# Altium PCB PCB1.PcbDoc (part 2 of 2)
Units mm, origin at the board's own origin, x right, y up, seen from the top; angles counter-clockwise.
Board outline 152.4 x 101.6 mm, 2 copper layers (Top Layer, Bottom Layer); 174 components, 0 nets, 1020 pads, 426 vias.
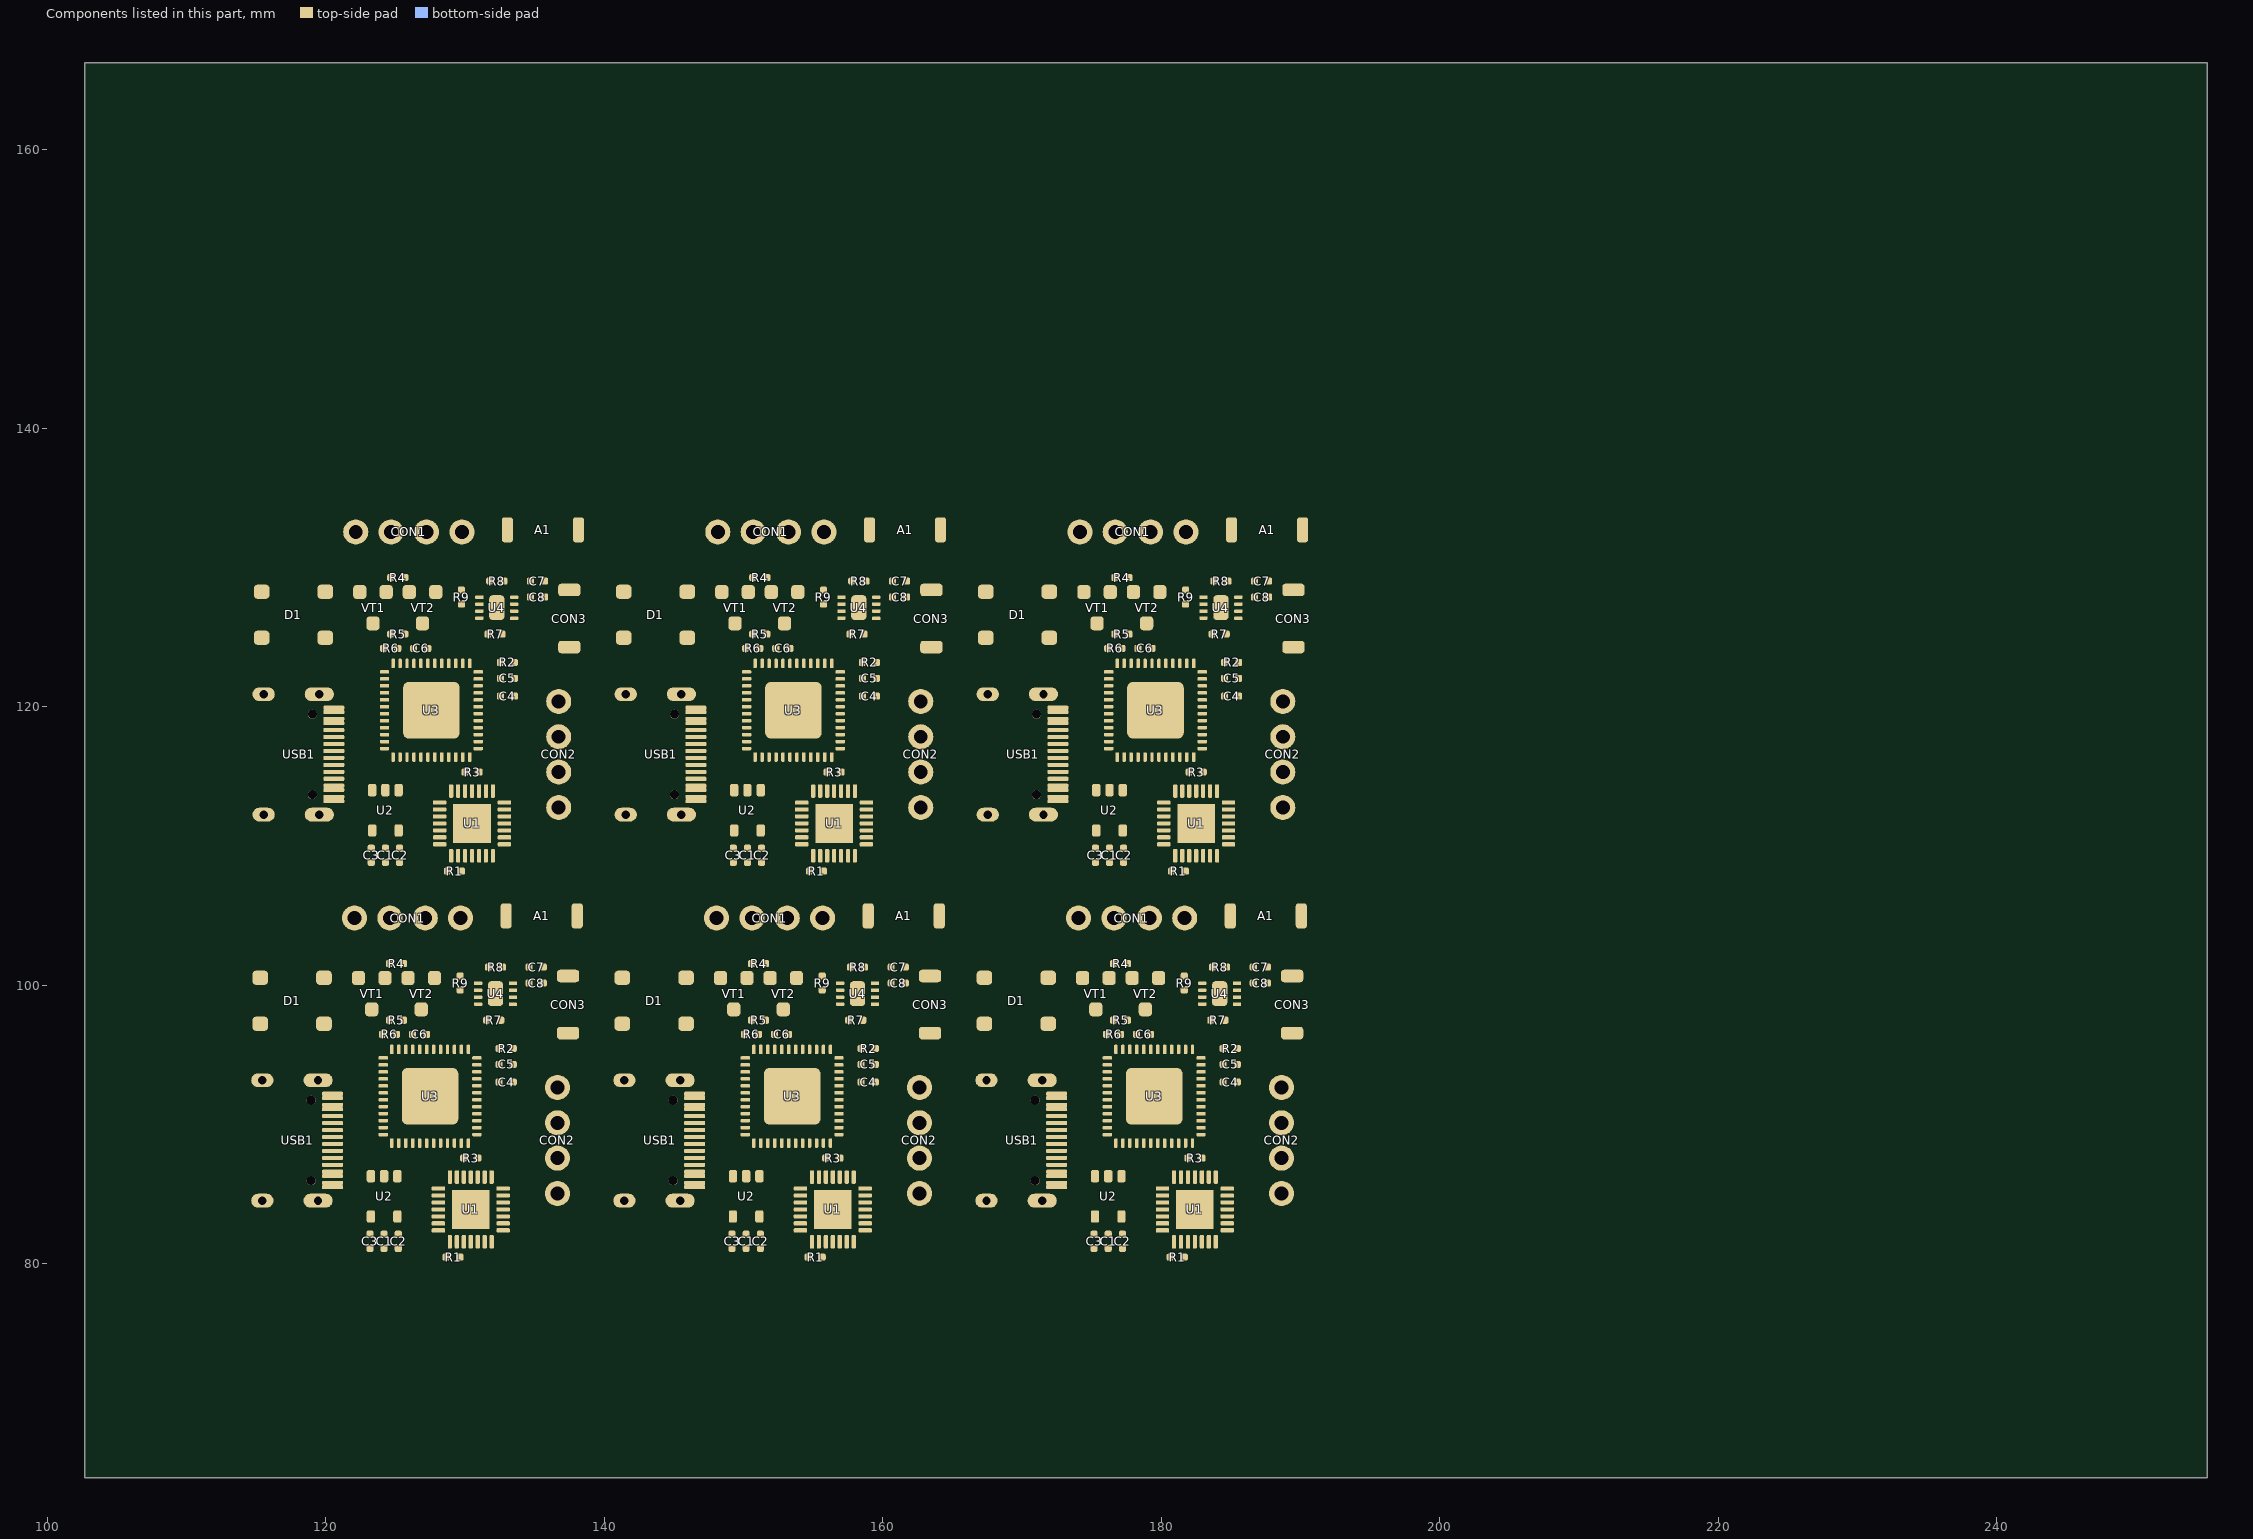
[diagram p2: the components of this part, seen from the top]

## Via types
v1: diameter 0.406, hole 0.254, Top Layer to Bottom Layer, 408 vias
v2: diameter 3.2, hole 2.8, Top Layer to Bottom Layer, 18 vias

## Nets (pads, with @x,y where several pads share a name; then routed paths per layer and width w, separated by ;. In a path a pad name is that pad's centre, name@x,y a point inside that pad or via, vN(x,y) a via of type N, cw(c..) or ccw(c..) an arc to the next point about the centre after c; other vN are vias at no path point) (continued)
copper on no net: | length 2146.6
  Top Layer w0.127: 119.86,100.52 119.86,99.25 120.749,98.361 v1(120.749,95.059) ; 119.951,128.242 119.951,126.972 120.84,126.083 v1(120.84,122.781) ; 120.474,88.587 120.479,88.582 121.384,88.582 121.511,88.709 121.511,89.09 ; 120.474,89.087 119.602,89.087 119.352,88.837 119.352,88.328 119.606,88.075 120.462,88.075 120.474,88.087 125.943,88.087 127.099,86.931 127.099,84.138 127.353,83.883 128.076,83.883 ; 120.474,89.587 121.395,89.587 121.511,89.471 121.511,89.09 ; 120.566,116.308 120.57,116.304 121.475,116.304 121.602,116.431 121.602,116.812 ; 120.566,116.808 119.693,116.808 119.443,116.558 119.443,116.05 119.697,115.796 120.554,115.796 120.566,115.808 126.035,115.808 127.19,114.653 127.19,111.859 127.444,111.605 128.168,111.605 ; 120.566,117.308 121.487,117.308 121.602,117.193 121.602,116.812 ; v1(121.638,93.027) 121.638,99.844 122.296,100.502 122.338,100.502 124.559,98.282 124.559,97.472 ; v1(121.729,120.749) 121.729,127.565 122.388,128.224 122.43,128.224 124.65,126.004 124.65,125.194 ; v1(122.908,88.582) 122.4,89.09 121.511,89.09 ; v1(122.999,116.304) 122.491,116.812 121.602,116.812 ; 123.162,82.105 123.228,82.172 123.228,83.377 ; 123.253,109.827 123.319,109.893 123.319,111.098 ; 123.288,98.253 123.379,98.162 123.379,97.636 124.051,96.965 124.94,96.965 125.066,96.838 125.066,96.456 126.21,96.456 ; 123.38,125.974 123.47,125.884 123.47,125.358 124.142,124.686 125.031,124.686 125.158,124.559 125.158,124.178 126.301,124.178 ; v1(123.924,87.566) 124.305,87.185 126.464,87.185 126.845,86.804 126.845,83.884 127.333,83.395 128.065,83.395 128.076,83.384 ; v1(124.015,115.288) 124.396,114.907 126.555,114.907 126.936,114.526 126.936,111.605 127.425,111.116 128.157,111.116 128.168,111.105 ; v1(124.051,95.186) 124.051,94.823 124.112,94.762 124.117,94.762 ; 124.117,89.761 124.904,89.761 125.194,89.471 v1(126.845,89.471) ; 124.117,93.262 124.127,93.272 124.676,93.272 v1(124.686,93.281) ; v1(124.142,122.908) 124.142,122.545 124.204,122.483 124.209,122.483 ; 124.209,117.483 124.995,117.483 125.285,117.193 v1(126.936,117.193) ; 124.209,120.983 124.219,120.993 124.767,120.993 v1(124.777,121.003) ; 124.239,100.502 124.239,101.217 124.558,101.536 ; 124.33,128.224 124.33,128.938 124.65,129.258 ; 124.59,104.811 124.59,103.156 125.575,102.171 127.607,102.171 128.496,101.282 v1(128.496,97.472) ; 124.681,132.533 124.681,130.878 125.666,129.893 127.698,129.893 128.587,129.004 v1(128.587,125.194) ; v1@124.73,94.536 124.73,95.374 ; v1@124.821,122.258 124.821,123.095 ; 125.574,97.472 125.574,98.282 127.795,100.503 ; 125.575,101.536 125.894,101.217 125.894,100.503 v1(125.895,99.557) ; 125.666,125.194 125.666,126.004 127.886,128.224 ; 125.666,129.258 125.986,128.938 125.986,128.224 v1(125.986,127.278) ; 126.229,95.374 126.229,96.437 ; 126.321,123.095 126.321,124.158 ; v1(126.845,97.346) 126.845,98.252 v1(128.043,99.451) ; v1(126.936,125.067) 126.936,125.974 v1(128.135,127.173) ; v1(127.988,87.312) 128.496,87.312 128.9,86.908 128.9,86.208 ; v1(128.079,115.034) 128.587,115.034 128.992,114.629 128.992,113.929 ; v1(129.461,89.421) 129.73,89.152 129.73,88.649 ; v1(129.461,96.8) 129.461,98.184 129.639,98.361 129.639,99.632 ; v1(129.552,117.142) 129.821,116.873 129.821,116.37 ; v1(129.552,124.521) 129.552,125.905 129.73,126.083 129.73,127.353 ; 129.766,99.505 129.766,99.573 129.824,99.632 130.924,99.632 130.928,99.627 ; 129.857,127.226 129.857,127.294 129.916,127.353 131.016,127.353 131.02,127.349 ; 129.892,87.312 129.892,86.216 129.9,86.208 ; 129.984,115.034 129.984,113.937 129.992,113.929 ; v1(130.147,96.8) 130.147,98.742 130.528,99.123 130.909,99.123 ; v1(130.223,91.275) 130.229,91.268 130.835,91.268 130.842,91.261 ; 130.23,88.649 130.29,88.709 v1(130.782,88.709) ; v1(130.238,124.521) 130.238,126.464 130.619,126.845 131,126.845 ; v1@130.286,100.128 130.929,100.128 130.956,100.155 131.305,100.155 131.671,100.52 131.671,101.282 v1(130.655,101.282) ; v1(130.314,118.996) 130.321,118.99 130.927,118.99 130.933,118.983 ; 130.321,116.37 130.382,116.431 v1(130.873,116.431) ; v1@130.377,127.849 131.02,127.849 131.047,127.876 131.396,127.876 131.762,128.242 131.762,129.004 v1(130.746,129.004) ; 130.401,86.208 130.401,87.984 130.611,88.195 v1(130.641,88.195) ; 130.492,113.929 130.492,115.706 130.703,115.916 v1(130.733,115.916) ; v1(130.782,97.472) 131.544,97.472 132.941,96.075 132.941,95.059 133.195,94.805 134.338,94.805 136.497,92.647 ; 130.842,90.761 130.852,90.751 131.407,90.751 v1(131.417,90.742) ; v1(130.873,125.194) 131.635,125.194 133.032,123.797 133.032,122.781 133.286,122.527 134.429,122.527 136.588,120.368 ; 130.901,86.208 130.905,86.212 130.905,86.927 v1(130.909,86.931) ; 130.908,87.566 v1(131.417,88.075) ; 130.933,118.483 130.943,118.473 131.498,118.473 v1(131.508,118.463) ; 130.992,113.929 130.996,113.933 130.996,114.649 v1(131,114.653) ; 131,115.288 v1(131.508,115.796) ; v1(134.338,97.98) 135.771,96.548 137.386,96.548 ; v1(134.429,125.702) 135.862,124.269 137.477,124.269 ; 145.86,100.52 145.86,99.25 146.749,98.361 v1(146.749,95.059) ; 145.951,128.242 145.951,126.972 146.84,126.083 v1(146.84,122.781) ; 146.474,88.587 146.479,88.582 147.383,88.582 147.511,88.709 147.511,89.09 ; 146.474,89.087 145.602,89.087 145.351,88.837 145.351,88.328 145.606,88.075 146.462,88.075 146.474,88.087 151.943,88.087 153.099,86.931 153.099,84.138 153.352,83.883 154.076,83.883 ; 146.474,89.587 147.395,89.587 147.511,89.471 147.511,89.09 ; 146.566,116.308 146.57,116.304 147.475,116.304 147.602,116.431 147.602,116.812 ; 146.566,116.808 145.693,116.808 145.443,116.558 145.443,116.05 145.697,115.796 146.554,115.796 146.566,115.808 152.035,115.808 153.19,114.653 153.19,111.859 153.444,111.605 154.168,111.605 ; 146.566,117.308 147.487,117.308 147.602,117.193 147.602,116.812 ; v1(147.637,93.027) 147.637,99.844 148.296,100.502 148.338,100.502 150.559,98.282 150.559,97.472 ; v1(147.729,120.749) 147.729,127.565 148.388,128.224 148.43,128.224 150.65,126.004 150.65,125.194 ; v1(148.907,88.582) 148.399,89.09 147.511,89.09 ; v1(148.999,116.304) 148.491,116.812 147.602,116.812 ; 149.161,82.105 149.228,82.172 149.228,83.377 ; 149.253,109.827 149.319,109.893 149.319,111.098 ; 149.288,98.253 149.379,98.162 149.379,97.636 150.05,96.965 150.939,96.965 151.066,96.838 151.066,96.456 152.21,96.456 ; 149.38,125.974 149.47,125.884 149.47,125.358 150.142,124.686 151.031,124.686 151.158,124.559 151.158,124.178 152.301,124.178 ; v1(149.923,87.566) 150.304,87.185 152.463,87.185 152.844,86.804 152.844,83.884 153.333,83.395 154.065,83.395 154.076,83.384 ; v1(150.015,115.288) 150.396,114.907 152.555,114.907 152.936,114.526 152.936,111.605 153.425,111.116 154.157,111.116 154.168,111.105 ; v1(150.05,95.186) 150.05,94.823 150.112,94.762 150.117,94.762 ; 150.117,89.761 150.904,89.761 151.194,89.471 v1(152.844,89.471) ; 150.117,93.262 150.127,93.272 150.676,93.272 v1(150.685,93.281) ; v1(150.142,122.908) 150.142,122.545 150.204,122.483 150.209,122.483 ; 150.209,117.483 150.995,117.483 151.285,117.193 v1(152.936,117.193) ; 150.209,120.983 150.219,120.993 150.767,120.993 v1(150.777,121.003) ; 150.239,100.502 150.239,101.217 150.558,101.536 ; 150.33,128.224 150.33,128.938 150.65,129.258 ; 150.59,104.811 150.59,103.156 151.575,102.171 153.606,102.171 154.495,101.282 v1(154.495,97.472) ; 150.681,132.533 150.681,130.878 151.666,129.893 153.698,129.893 154.587,129.004 v1(154.587,125.194) ; v1@150.73,94.536 150.73,95.374 ; v1@150.821,122.258 150.821,123.095 ; 151.574,97.472 151.574,98.282 153.795,100.503 ; 151.575,101.536 151.894,101.217 151.894,100.503 v1(151.894,99.557) ; 151.666,125.194 151.666,126.004 153.886,128.224 ; 151.666,129.258 151.986,128.938 151.986,128.224 v1(151.986,127.278) ; 152.229,95.374 152.229,96.437 ; 152.321,123.095 152.321,124.158 ; v1(152.844,97.346) 152.844,98.252 v1(154.043,99.451) ; v1(152.936,125.067) 152.936,125.974 v1(154.135,127.173) ; v1(153.987,87.312) 154.495,87.312 154.9,86.908 154.9,86.208 ; v1(154.079,115.034) 154.587,115.034 154.992,114.629 154.992,113.929 ; v1(155.461,89.421) 155.73,89.152 155.73,88.649 ; v1(155.461,96.8) 155.461,98.184 155.638,98.361 155.638,99.632 ; v1(155.552,117.142) 155.821,116.873 155.821,116.37 ; v1(155.552,124.521) 155.552,125.905 155.73,126.083 155.73,127.353 ; 155.766,99.505 155.766,99.573 155.824,99.632 156.924,99.632 156.928,99.627 ; 155.857,127.226 155.857,127.294 155.916,127.353 157.016,127.353 157.02,127.349 ; 155.892,87.312 155.892,86.216 155.9,86.208 ; 155.984,115.034 155.984,113.937 155.992,113.929 ; v1(156.147,96.8) 156.147,98.742 156.528,99.123 156.909,99.123 ; v1(156.223,91.275) 156.229,91.268 156.835,91.268 156.842,91.261 ; 156.23,88.649 156.29,88.709 v1(156.781,88.709) ; v1(156.238,124.521) 156.238,126.464 156.619,126.845 157,126.845 ; v1@156.285,100.128 156.928,100.128 156.956,100.155 157.305,100.155 157.671,100.52 157.671,101.282 v1(156.654,101.282) ; v1(156.314,118.996) 156.321,118.99 156.927,118.99 156.933,118.983 ; 156.321,116.37 156.382,116.431 v1(156.873,116.431) ; v1@156.377,127.849 157.02,127.849 157.047,127.876 157.396,127.876 157.762,128.242 157.762,129.004 v1(156.746,129.004) ; 156.4,86.208 156.4,87.984 156.611,88.195 v1(156.641,88.195) ; 156.492,113.929 156.492,115.706 156.703,115.916 v1(156.733,115.916) ; v1(156.781,97.472) 157.544,97.472 158.94,96.075 158.94,95.059 159.195,94.805 160.338,94.805 162.496,92.647 ; 156.842,90.761 156.852,90.751 157.407,90.751 v1(157.416,90.742) ; v1(156.873,125.194) 157.635,125.194 159.032,123.797 159.032,122.781 159.286,122.527 160.429,122.527 162.588,120.368 ; 156.9,86.208 156.904,86.212 156.904,86.927 v1(156.909,86.931) ; 156.908,87.566 v1(157.416,88.075) ; 156.933,118.483 156.943,118.473 157.498,118.473 v1(157.508,118.463) ; 156.992,113.929 156.996,113.933 156.996,114.649 v1(157,114.653) ; 157,115.288 v1(157.508,115.796) ; v1(160.338,97.98) 161.77,96.548 163.386,96.548 ; v1(160.429,125.702) 161.862,124.269 163.477,124.269 ; 171.86,100.52 171.86,99.25 172.748,98.361 v1(172.748,95.059) ; 171.951,128.242 171.951,126.972 172.84,126.083 v1(172.84,122.781) ; 172.474,88.587 172.478,88.582 173.383,88.582 173.51,88.709 173.51,89.09 ; 172.474,89.087 171.602,89.087 171.351,88.837 171.351,88.328 171.605,88.075 172.462,88.075 172.474,88.087 177.943,88.087 179.098,86.931 179.098,84.138 179.352,83.883 180.076,83.883 ; 172.474,89.587 173.395,89.587 173.51,89.471 173.51,89.09 ; 172.566,116.308 172.57,116.304 173.475,116.304 173.602,116.431 173.602,116.812 ; 172.566,116.808 171.693,116.808 171.443,116.558 171.443,116.05 171.697,115.796 172.554,115.796 172.566,115.808 178.035,115.808 179.19,114.653 179.19,111.859 179.444,111.605 180.168,111.605 ; 172.566,117.308 173.487,117.308 173.602,117.193 173.602,116.812 ; v1(173.637,93.027) 173.637,99.844 174.296,100.502 174.338,100.502 176.559,98.282 176.559,97.472 ; v1(173.729,120.749) 173.729,127.565 174.388,128.224 174.43,128.224 176.65,126.004 176.65,125.194 ; v1(174.907,88.582) 174.399,89.09 173.51,89.09 ; v1(174.999,116.304) 174.491,116.812 173.602,116.812 ; 175.161,82.105 175.228,82.172 175.228,83.377 ; 175.253,109.827 175.319,109.893 175.319,111.098 ; 175.288,98.253 175.379,98.162 175.379,97.636 176.05,96.965 176.939,96.965 177.066,96.838 177.066,96.456 178.21,96.456 ; 175.38,125.974 175.47,125.884 175.47,125.358 176.142,124.686 177.031,124.686 177.158,124.559 177.158,124.178 178.301,124.178 ; v1(175.923,87.566) 176.304,87.185 178.463,87.185 178.844,86.804 178.844,83.884 179.333,83.395 180.065,83.395 180.076,83.384 ; v1(176.015,115.288) 176.396,114.907 178.555,114.907 178.936,114.526 178.936,111.605 179.425,111.116 180.157,111.116 180.168,111.105 ; v1(176.05,95.186) 176.05,94.823 176.112,94.762 176.117,94.762 ; 176.117,89.761 176.903,89.761 177.193,89.471 v1(178.844,89.471) ; 176.117,93.262 176.127,93.272 176.675,93.272 v1(176.685,93.281) ; v1(176.142,122.908) 176.142,122.545 176.204,122.483 176.208,122.483 ; 176.208,117.483 176.995,117.483 177.285,117.193 v1(178.936,117.193) ; 176.208,120.983 176.218,120.993 176.767,120.993 v1(176.777,121.003) ; 176.238,100.502 176.238,101.217 176.558,101.536 ; 176.33,128.224 176.33,128.938 176.65,129.258 ; 176.59,104.811 176.59,103.156 177.574,102.171 179.606,102.171 180.495,101.282 v1(180.495,97.472) ; 176.681,132.533 176.681,130.878 177.666,129.893 179.698,129.893 180.587,129.004 v1(180.587,125.194) ; v1@176.729,94.536 176.729,95.374 ; v1@176.821,122.258 176.821,123.095 ; 177.574,97.472 177.574,98.282 179.794,100.503 ; 177.574,101.536 177.894,101.217 177.894,100.503 v1(177.894,99.557) ; 177.666,125.194 177.666,126.004 179.886,128.224 ; 177.666,129.258 177.986,128.938 177.986,128.224 v1(177.986,127.278) ; 178.229,95.374 178.229,96.437 ; 178.321,123.095 178.321,124.158 ; v1(178.844,97.346) 178.844,98.252 v1(180.043,99.451) ; v1(178.936,125.067) 178.936,125.974 v1(180.135,127.173) ; v1(179.987,87.312) 180.495,87.312 180.9,86.908 180.9,86.208 ; v1(180.079,115.034) 180.587,115.034 180.992,114.629 180.992,113.929 ; v1(181.461,89.421) 181.73,89.152 181.73,88.649 ; v1(181.461,96.8) 181.461,98.184 181.638,98.361 181.638,99.632 ; v1(181.552,117.142) 181.821,116.873 181.821,116.37 ; v1(181.552,124.521) 181.552,125.905 181.73,126.083 181.73,127.353 ; 181.765,99.505 181.765,99.573 181.824,99.632 182.924,99.632 182.928,99.627 ; 181.857,127.226 181.857,127.294 181.916,127.353 183.016,127.353 183.02,127.349 ; 181.892,87.312 181.892,86.216 181.9,86.208 ; 181.984,115.034 181.984,113.937 181.992,113.929 ; v1(182.146,96.8) 182.146,98.742 182.527,99.123 182.908,99.123 ; v1(182.223,91.275) 182.229,91.268 182.835,91.268 182.842,91.261 ; 182.23,88.649 182.29,88.709 v1(182.781,88.709) ; v1(182.238,124.521) 182.238,126.464 182.619,126.845 183,126.845 ; v1@182.285,100.128 182.928,100.128 182.956,100.155 183.305,100.155 183.67,100.52 183.67,101.282 v1(182.654,101.282) ; v1(182.314,118.996) 182.321,118.99 182.927,118.99 182.933,118.983 ; 182.321,116.37 182.382,116.431 v1(182.873,116.431) ; v1@182.377,127.849 183.02,127.849 183.047,127.876 183.396,127.876 183.762,128.242 183.762,129.004 v1(182.746,129.004) ; 182.4,86.208 182.4,87.984 182.611,88.195 v1(182.641,88.195) ; 182.492,113.929 182.492,115.706 182.703,115.916 v1(182.733,115.916) ; v1(182.781,97.472) 183.544,97.472 184.94,96.075 184.94,95.059 185.194,94.805 186.337,94.805 188.496,92.647 ; 182.842,90.761 182.852,90.751 183.406,90.751 v1(183.416,90.742) ; v1(182.873,125.194) 183.635,125.194 185.032,123.797 185.032,122.781 185.286,122.527 186.429,122.527 188.588,120.368 ; 182.9,86.208 182.904,86.212 182.904,86.927 v1(182.908,86.931) ; 182.908,87.566 v1(183.416,88.075) ; 182.933,118.483 182.943,118.473 183.498,118.473 v1(183.508,118.463) ; 182.992,113.929 182.996,113.933 182.996,114.649 v1(183,114.653) ; 183,115.288 v1(183.508,115.796) ; v1(186.337,97.98) 187.77,96.548 189.385,96.548 ; v1(186.429,125.702) 187.862,124.269 189.477,124.269
  Top Layer w0.254: 115.287,100.52 117.193,98.615 117.193,91.757 118.336,90.614 ; 115.379,128.242 117.284,126.337 117.284,119.479 118.427,118.336 ; 120.474,86.273 123.228,86.273 123.228,85.342 123.543,85.026 124.813,85.026 125.128,85.342 125.128,86.273 ; 120.474,86.587 118.807,86.587 118.336,87.058 118.336,90.614 ; 120.474,91.087 118.808,91.087 118.336,90.614 ; 120.566,113.994 123.319,113.994 123.319,113.063 123.634,112.748 124.904,112.748 125.219,113.063 125.219,113.994 ; 120.566,114.308 118.899,114.308 118.427,114.78 118.427,118.336 ; 120.566,118.808 118.899,118.808 118.427,118.336 ; 124.051,96.456 123.289,95.694 123.288,92.266 123.793,91.762 124.117,91.762 124.119,91.76 124.368,91.759 124.37,91.757 124.813,91.757 125.194,92.138 125.194,93.911 125.58,94.297 128.581,94.297 128.73,94.446 128.73,95.374 129.23,95.374 129.23,94.834 129.396,94.667 130.23,94.667 ; 124.142,124.178 123.38,123.416 123.38,119.987 123.884,119.483 124.209,119.483 124.211,119.481 124.46,119.481 124.462,119.479 124.904,119.479 125.285,119.86 125.285,121.632 125.672,122.019 128.672,122.019 128.821,122.168 128.821,123.095 129.321,123.095 129.321,122.555 129.487,122.389 130.321,122.389 ; 124.178,82.105 125.193,82.105 ; 124.269,109.827 125.285,109.827 ; 125.128,83.377 125.128,82.171 125.194,82.105 ; 125.152,86.296 125.956,86.296 126.337,85.915 126.337,83.248 127.202,82.383 128.076,82.383 128.726,82.384 128.9,82.209 128.9,81.559 128.9,80.859 128.623,80.582 128.623,80.454 ; 125.219,111.098 125.219,109.893 125.285,109.827 ; 125.243,114.018 126.047,114.018 126.428,113.637 126.428,110.97 127.293,110.105 128.168,110.105 128.817,110.105 128.992,109.93 128.992,109.281 128.992,108.581 128.714,108.303 128.714,108.176 ; 127.13,104.811 128.369,103.573 128.369,102.806 v1(129.131,102.044) ; 127.221,132.533 128.46,131.294 128.46,130.528 v1(129.222,129.766) ; 129.405,81.555 129.401,81.559 129.401,80.82 129.638,80.582 129.638,80.454 ; 129.496,109.277 129.492,109.281 129.492,108.541 129.73,108.303 129.73,108.176 ; 129.73,95.374 129.73,95.857 129.004,96.584 129.004,101.028 131.163,103.188 131.163,103.95 132.179,104.965 132.941,104.965 ; 129.821,123.095 129.821,123.579 129.095,124.305 129.095,128.75 131.254,130.909 131.254,131.671 132.27,132.687 133.032,132.687 ; 130.23,95.374 130.23,94.667 ; 130.321,123.095 130.321,122.389 ; 130.842,92.261 130.399,92.261 ; 130.842,93.761 130.429,93.761 ; 130.909,98.615 131.163,98.615 131.544,98.234 131.544,97.472 ; 130.933,119.983 130.491,119.983 ; 130.934,121.483 130.52,121.483 ; 131,126.337 131.254,126.337 131.635,125.956 131.635,125.194 ; v1(131.544,102.044) 132.306,102.044 132.686,101.664 132.686,101.282 134.592,101.282 134.592,100.139 134.592,99.377 134.342,99.128 133.429,99.128 133.429,98.612 133.429,97.472 ; v1(131.635,129.766) 132.397,129.766 132.778,129.385 132.778,129.004 134.683,129.004 134.683,127.861 134.683,127.099 134.433,126.849 133.52,126.849 133.52,126.333 133.52,125.194 ; 132.433,95.441 132.433,94.297 132.433,93.027 132.433,89.852 131.842,89.262 130.484,89.262 129.766,89.98 129.766,91.628 130.399,92.261 ; 132.524,123.162 132.524,122.019 132.524,120.749 132.524,117.574 131.933,116.983 130.575,116.983 129.857,117.701 129.857,119.349 130.491,119.983 ; 132.56,97.473 133.428,97.473 ; 132.651,125.194 133.52,125.194 ; 133.429,95.44 133.429,97.472 ; 133.449,95.44 135.735,95.44 137.829,93.346 137.829,86.359 133.957,82.486 133.957,81.471 132.433,79.947 127.861,79.947 125.702,82.105 125.194,82.105 ; 133.52,123.162 133.52,125.194 ; 133.54,123.162 135.826,123.162 137.92,121.068 137.92,114.08 134.048,110.208 134.048,109.192 132.524,107.668 127.952,107.668 125.793,109.827 125.285,109.827 ; 141.287,100.52 143.192,98.615 143.192,91.757 144.335,90.614 ; 141.379,128.242 143.284,126.337 143.284,119.479 144.427,118.336 ; 146.474,86.273 149.227,86.273 149.227,85.342 149.542,85.026 150.812,85.026 151.128,85.342 151.128,86.273 ; 146.474,86.587 144.807,86.587 144.335,87.058 144.335,90.614 ; 146.474,91.087 144.808,91.087 144.335,90.614 ; 146.566,113.994 149.319,113.994 149.319,113.063 149.634,112.748 150.904,112.748 151.219,113.063 151.219,113.994 ; 146.566,114.308 144.899,114.308 144.427,114.78 144.427,118.336 ; 146.566,118.808 144.899,118.808 144.427,118.336 ; 150.051,96.456 149.288,95.694 149.288,92.266 149.792,91.762 150.117,91.762 150.119,91.76 150.368,91.759 150.37,91.757 150.812,91.757 151.194,92.138 151.194,93.911 151.58,94.297 154.581,94.297 154.73,94.446 154.73,95.374 155.229,95.374 155.229,94.834 155.396,94.667 156.229,94.667 ; 150.142,124.178 149.38,123.416 149.38,119.987 149.884,119.483 150.209,119.483 150.211,119.481 150.46,119.481 150.462,119.479 150.904,119.479 151.285,119.86 151.285,121.632 151.672,122.019 154.672,122.019 154.821,122.168 154.821,123.095 155.321,123.095 155.321,122.555 155.487,122.389 156.321,122.389 ; 150.177,82.105 151.193,82.105 ; 150.269,109.827 151.285,109.827 ; 151.128,83.377 151.128,82.171 151.194,82.105 ; 151.152,86.296 151.956,86.296 152.337,85.915 152.337,83.248 153.202,82.383 154.076,82.383 154.726,82.384 154.9,82.209 154.9,81.559 154.9,80.859 154.623,80.582 154.623,80.454 ; 151.219,111.098 151.219,109.893 151.285,109.827 ; 151.243,114.018 152.047,114.018 152.428,113.637 152.428,110.97 153.293,110.105 154.168,110.105 154.817,110.105 154.992,109.93 154.992,109.281 154.992,108.581 154.714,108.303 154.714,108.176 ; 153.13,104.811 154.368,103.573 154.368,102.806 v1(155.13,102.044) ; 153.221,132.533 154.46,131.294 154.46,130.528 v1(155.222,129.766) ; 155.405,81.555 155.4,81.559 155.4,80.82 155.638,80.582 155.638,80.454 ; 155.496,109.277 155.492,109.281 155.492,108.541 155.73,108.303 155.73,108.176 ; 155.73,95.374 155.73,95.857 155.004,96.584 155.004,101.028 157.162,103.188 157.162,103.95 158.178,104.965 158.94,104.965 ; 155.821,123.095 155.821,123.579 155.095,124.305 155.095,128.75 157.254,130.909 157.254,131.671 158.27,132.687 159.032,132.687 ; 156.229,95.374 156.229,94.667 ; 156.321,123.095 156.321,122.389 ; 156.842,92.261 156.399,92.261 ; 156.842,93.761 156.429,93.761 ; 156.909,98.615 157.162,98.615 157.544,98.234 157.544,97.472 ; 156.933,119.983 156.491,119.983 ; 156.934,121.483 156.52,121.483 ; 157,126.337 157.254,126.337 157.635,125.956 157.635,125.194 ; v1(157.543,102.044) 158.305,102.044 158.686,101.664 158.686,101.282 160.591,101.282 160.591,100.139 160.591,99.377 160.342,99.128 159.429,99.128 159.429,98.612 159.429,97.472 ; v1(157.635,129.766) 158.397,129.766 158.778,129.385 158.778,129.004 160.683,129.004 160.683,127.861 160.683,127.099 160.433,126.849 159.52,126.849 159.52,126.333 159.52,125.194 ; 158.433,95.441 158.433,94.297 158.433,93.027 158.433,89.852 157.842,89.262 156.484,89.262 155.766,89.98 155.766,91.628 156.399,92.261 ; 158.524,123.162 158.524,122.019 158.524,120.749 158.524,117.574 157.933,116.983 156.575,116.983 155.857,117.701 155.857,119.349 156.491,119.983 ; 158.559,97.473 159.428,97.473 ; 158.651,125.194 159.52,125.194 ; 159.429,95.44 159.429,97.472 ; 159.448,95.44 161.735,95.44 163.829,93.346 163.829,86.359 159.957,82.486 159.957,81.471 158.433,79.947 153.861,79.947 151.701,82.105 151.194,82.105 ; 159.52,123.162 159.52,125.194 ; 159.54,123.162 161.826,123.162 163.92,121.068 163.92,114.08 160.048,110.208 160.048,109.192 158.524,107.668 153.952,107.668 151.793,109.827 151.285,109.827 ; 167.287,100.52 169.192,98.615 169.192,91.757 170.335,90.614 ; 167.379,128.242 169.284,126.337 169.284,119.479 170.427,118.336 ; 172.474,86.273 175.227,86.273 175.227,85.342 175.542,85.026 176.812,85.026 177.128,85.342 177.128,86.273 ; 172.474,86.587 170.807,86.587 170.335,87.058 170.335,90.614 ; 172.474,91.087 170.808,91.087 170.335,90.614 ; 172.566,113.994 175.319,113.994 175.319,113.063 175.634,112.748 176.904,112.748 177.219,113.063 177.219,113.994 ; 172.566,114.308 170.899,114.308 170.427,114.78 170.427,118.336 ; 172.566,118.808 170.899,118.808 170.427,118.336 ; 176.051,96.456 175.288,95.694 175.288,92.266 175.792,91.762 176.117,91.762 176.119,91.76 176.368,91.759 176.37,91.757 176.812,91.757 177.193,92.138 177.193,93.911 177.58,94.297 180.581,94.297 180.729,94.446 180.729,95.374 181.229,95.374 181.229,94.834 181.396,94.667 182.229,94.667 ; 176.142,124.178 175.38,123.416 175.38,119.987 175.884,119.483 176.209,119.483 176.211,119.481 176.46,119.481 176.462,119.479 176.904,119.479 177.285,119.86 177.285,121.632 177.672,122.019 180.672,122.019 180.821,122.168 180.821,123.095 181.321,123.095 181.321,122.555 181.487,122.389 182.321,122.389 ; 176.177,82.105 177.193,82.105 ; 176.269,109.827 177.285,109.827 ; 177.127,83.377 177.127,82.171 177.193,82.105 ; 177.151,86.296 177.955,86.296 178.336,85.915 178.336,83.248 179.202,82.383 180.076,82.383 180.726,82.384 180.9,82.209 180.9,81.559 180.9,80.859 180.623,80.582 180.623,80.454 ; 177.219,111.098 177.219,109.893 177.285,109.827 ; 177.243,114.018 178.047,114.018 178.428,113.637 178.428,110.97 179.293,110.105 180.168,110.105 180.817,110.105 180.992,109.93 180.992,109.281 180.992,108.581 180.714,108.303 180.714,108.176 ; 179.13,104.811 180.368,103.573 180.368,102.806 v1(181.13,102.044) ; 179.221,132.533 180.46,131.294 180.46,130.528 v1(181.222,129.766) ; 181.405,81.555 181.4,81.559 181.4,80.82 181.638,80.582 181.638,80.454 ; 181.496,109.277 181.492,109.281 181.492,108.541 181.73,108.303 181.73,108.176 ; 181.73,95.374 181.73,95.857 181.003,96.584 181.003,101.028 183.162,103.188 183.162,103.95 184.178,104.965 184.94,104.965 ; 181.821,123.095 181.821,123.579 181.095,124.305 181.095,128.75 183.254,130.909 183.254,131.671 184.27,132.687 185.032,132.687 ; 182.229,95.374 182.229,94.667 ; 182.321,123.095 182.321,122.389 ; 182.842,92.261 182.399,92.261 ; 182.842,93.761 182.428,93.761 ; 182.908,98.615 183.162,98.615 183.544,98.234 183.544,97.472 ; 182.933,119.983 182.491,119.983 ; 182.934,121.483 182.52,121.483 ; 183,126.337 183.254,126.337 183.635,125.956 183.635,125.194 ; v1(183.543,102.044) 184.305,102.044 184.686,101.664 184.686,101.282 186.591,101.282 186.591,100.139 186.591,99.377 186.341,99.128 185.429,99.128 185.429,98.612 185.428,97.472 ; v1(183.635,129.766) 184.397,129.766 184.778,129.385 184.778,129.004 186.683,129.004 186.683,127.861 186.683,127.099 186.433,126.849 185.52,126.849 185.52,126.333 185.52,125.194 ; 184.433,95.441 184.433,94.297 184.433,93.027 184.432,89.852 183.841,89.262 182.484,89.262 181.765,89.98 181.765,91.628 182.399,92.261 ; 184.524,123.162 184.524,122.019 184.524,120.749 184.524,117.574 183.933,116.983 182.575,116.983 181.857,117.701 181.857,119.349 182.491,119.983 ; 184.559,97.473 185.428,97.473 ; 184.651,125.194 185.52,125.194 ; 185.428,95.44 185.428,97.472 ; 185.448,95.44 187.735,95.44 189.829,93.346 189.829,86.359 185.956,82.486 185.956,81.471 184.432,79.947 179.86,79.947 177.701,82.105 177.193,82.105 ; 185.52,123.162 185.52,125.194 ; 185.54,123.162 187.826,123.162 189.92,121.068 189.92,114.08 186.048,110.208 186.048,109.192 184.524,107.668 179.952,107.668 177.793,109.827 177.285,109.827 ; 130.23,94.667 130.23,93.961 130.429,93.761 ; 130.321,122.389 130.321,121.682 130.52,121.483 ; 130.399,92.261 130.251,92.41 130.251,93.583 130.429,93.761 ; 130.491,119.983 130.342,120.132 130.342,121.305 130.52,121.483 ; 156.229,94.667 156.229,93.961 156.429,93.761 ; 156.321,122.389 156.321,121.682 156.52,121.483 ; 156.399,92.261 156.251,92.41 156.251,93.583 156.429,93.761 ; 156.491,119.983 156.342,120.132 156.342,121.305 156.52,121.483 ; 182.229,94.667 182.229,93.961 182.428,93.761 ; 182.321,122.389 182.321,121.682 182.52,121.483 ; 182.399,92.261 182.25,92.41 182.25,93.583 182.428,93.761 ; 182.491,119.983 182.342,120.132 182.342,121.305 182.52,121.483
  Bottom Layer w0.127: v1(120.749,95.059) 122.527,93.281 v1(124.686,93.281) ; v1(120.84,122.781) 122.618,121.003 v1(124.777,121.003) ; v1@121.638,92.99 121.638,88.709 123.428,86.919 128.151,86.919 128.163,86.931 v1(130.909,86.931) ; v1@121.729,120.712 121.729,116.431 123.52,114.64 128.242,114.64 128.255,114.653 v1(131,114.653) ; 122.05,104.811 122.05,95.282 122.781,94.551 124.714,94.551 v1(124.743,94.523) 124.743,99.943 126.083,101.282 v1(130.655,101.282) ; 122.141,132.533 122.141,123.004 122.872,122.273 124.806,122.273 v1(124.834,122.244) 124.834,127.664 126.174,129.004 v1(130.746,129.004) ; v1(122.908,88.582) v1(123.924,87.566) ; v1(122.999,116.304) v1(124.015,115.288) ; v1(124.051,95.186) 124.051,102.552 124.59,103.092 124.59,104.811 ; v1(124.142,122.908) 124.142,130.274 124.681,130.813 124.681,132.533 ; v1(125.895,99.557) 125.895,88.39 126.972,87.312 v1(127.988,87.312) ; v1(125.986,127.278) 125.986,116.111 127.063,115.034 v1(128.079,115.034) ; v1(126.845,89.471) v1(126.845,97.346) ; v1(126.936,117.193) v1(126.936,125.067) ; v1(128.043,99.451) 128.077,99.451 129.273,100.647 131.671,100.647 v1(134.338,97.98) ; v1(128.135,127.173) 128.168,127.173 129.365,128.369 131.762,128.369 v1(134.429,125.702) ; v1(128.496,97.472) v1(130.782,97.472) ; v1(128.587,125.194) v1(130.873,125.194) ; v1(129.461,89.421) v1(129.461,96.8) ; v1(129.552,117.142) v1(129.552,124.521) ; v1(130.147,96.8) 130.782,96.165 v1(130.782,88.709) ; v1(130.223,91.275) 130.223,88.583 130.611,88.195 v1(130.641,88.195) ; v1(130.238,124.521) 130.873,123.886 v1(130.873,116.431) ; v1(130.274,100.139) 130.274,99.251 131.671,97.853 131.671,92.519 134.084,90.106 136.497,90.106 ; v1(130.314,118.996) 130.314,116.305 130.703,115.916 v1(130.733,115.916) ; v1(130.365,127.861) 130.365,126.972 131.762,125.575 131.762,120.241 134.175,117.828 136.588,117.828 ; v1(131.417,88.075) v1(131.417,90.742) ; v1(131.508,115.796) v1(131.508,118.463) ; v1(146.749,95.059) 148.526,93.281 v1(150.685,93.281) ; v1(146.84,122.781) 148.618,121.003 v1(150.777,121.003) ; v1@147.637,92.99 147.637,88.709 149.428,86.919 154.151,86.919 154.163,86.931 v1(156.909,86.931) ; v1@147.729,120.712 147.729,116.431 149.52,114.64 154.242,114.64 154.255,114.653 v1(157,114.653) ; 148.05,104.811 148.05,95.282 148.78,94.551 150.714,94.551 v1(150.743,94.523) 150.743,99.943 152.082,101.282 v1(156.654,101.282) ; 148.141,132.533 148.141,123.004 148.872,122.273 150.806,122.273 v1(150.834,122.244) 150.834,127.664 152.174,129.004 v1(156.746,129.004) ; v1(148.907,88.582) v1(149.923,87.566) ; v1(148.999,116.304) v1(150.015,115.288) ; v1(150.05,95.186) 150.05,102.552 150.59,103.092 150.59,104.811 ; v1(150.142,122.908) 150.142,130.274 150.681,130.813 150.681,132.533 ; v1(151.894,99.557) 151.894,88.39 152.971,87.312 v1(153.987,87.312) ; v1(151.986,127.278) 151.986,116.111 153.063,115.034 v1(154.079,115.034) ; v1(152.844,89.471) v1(152.844,97.346) ; v1(152.936,117.193) v1(152.936,125.067) ; v1(154.043,99.451) 154.077,99.451 155.273,100.647 157.671,100.647 v1(160.338,97.98) ; v1(154.135,127.173) 154.168,127.173 155.365,128.369 157.762,128.369 v1(160.429,125.702) ; v1(154.495,97.472) v1(156.781,97.472) ; v1(154.587,125.194) v1(156.873,125.194) ; v1(155.461,89.421) v1(155.461,96.8) ; v1(155.552,117.142) v1(155.552,124.521) ; v1(156.147,96.8) 156.781,96.165 v1(156.781,88.709) ; v1(156.223,91.275) 156.223,88.583 156.611,88.195 v1(156.641,88.195) ; v1(156.238,124.521) 156.873,123.886 v1(156.873,116.431) ; v1(156.273,100.139) 156.273,99.251 157.671,97.853 157.671,92.519 160.083,90.106 162.496,90.106 ; v1(156.314,118.996) 156.314,116.305 156.703,115.916 v1(156.733,115.916) ; v1(156.365,127.861) 156.365,126.972 157.762,125.575 157.762,120.241 160.175,117.828 162.588,117.828 ; v1(157.416,88.075) v1(157.416,90.742) ; v1(157.508,115.796) v1(157.508,118.463) ; v1(172.748,95.059) 174.526,93.281 v1(176.685,93.281) ; v1(172.84,122.781) 174.618,121.003 v1(176.777,121.003) ; v1@173.637,92.99 173.637,88.709 175.428,86.919 180.151,86.919 180.163,86.931 v1(182.908,86.931) ; v1@173.729,120.712 173.729,116.431 175.52,114.64 180.242,114.64 180.255,114.653 v1(183,114.653) ; 174.05,104.811 174.05,95.282 174.78,94.551 176.714,94.551 v1(176.743,94.523) 176.743,99.943 178.082,101.282 v1(182.654,101.282) ; 174.141,132.533 174.141,123.004 174.872,122.273 176.806,122.273 v1(176.834,122.244) 176.834,127.664 178.174,129.004 v1(182.746,129.004) ; v1(174.907,88.582) v1(175.923,87.566) ; v1(174.999,116.304) v1(176.015,115.288) ; v1(176.05,95.186) 176.05,102.552 176.59,103.092 176.59,104.811 ; v1(176.142,122.908) 176.142,130.274 176.681,130.813 176.681,132.533 ; v1(177.894,99.557) 177.894,88.39 178.971,87.312 v1(179.987,87.312) ; v1(177.986,127.278) 177.986,116.111 179.063,115.034 v1(180.079,115.034) ; v1(178.844,89.471) v1(178.844,97.346) ; v1(178.936,117.193) v1(178.936,125.067) ; v1(180.043,99.451) 180.077,99.451 181.273,100.647 183.671,100.647 v1(186.337,97.98) ; v1(180.135,127.173) 180.168,127.173 181.365,128.369 183.762,128.369 v1(186.429,125.702) ; v1(180.495,97.472) v1(182.781,97.472) ; v1(180.587,125.194) v1(182.873,125.194) ; v1(181.461,89.421) v1(181.461,96.8) ; v1(181.552,117.142) v1(181.552,124.521) ; v1(182.146,96.8) 182.781,96.165 v1(182.781,88.709) ; v1(182.223,91.275) 182.223,88.583 182.611,88.195 v1(182.641,88.195) ; v1(182.238,124.521) 182.873,123.886 v1(182.873,116.431) ; v1(182.273,100.139) 182.273,99.251 183.67,97.853 183.67,92.519 186.083,90.106 188.496,90.106 ; v1(182.314,118.996) 182.314,116.305 182.703,115.916 v1(182.733,115.916) ; v1(182.365,127.861) 182.365,126.972 183.762,125.575 183.762,120.241 186.175,117.828 188.588,117.828 ; v1(183.416,88.075) v1(183.416,90.742) ; v1(183.508,115.796) v1(183.508,118.463)
  Bottom Layer w0.254: v1(129.131,102.044) v1(131.544,102.044) ; v1(129.222,129.766) v1(131.635,129.766) ; v1(155.13,102.044) v1(157.543,102.044) ; v1(155.222,129.766) v1(157.635,129.766) ; v1(181.13,102.044) v1(183.543,102.044) ; v1(181.222,129.766) v1(183.635,129.766)
  other v1: 130.401,82.867 156.4,82.867 182.4,82.867 130.401,83.757 156.4,83.757 182.4,83.757 130.401,84.645 156.4,84.645 182.4,84.645 124.178,85.534 150.177,85.534 176.177,85.534 116.431,87.82 142.43,87.82 168.43,87.82 116.431,88.71 142.43,88.71 168.43,88.71 116.431,89.599 142.43,89.599 168.43,89.599 122.526,90.487 148.526,90.487 174.526,90.487 127.734,90.995 128.623,90.995 153.733,90.995 154.623,90.995 179.733,90.995 180.622,90.995 122.526,91.377 148.526,91.377 174.526,91.377 127.734,91.885 128.623,91.885 153.733,91.885 154.623,91.885 179.733,91.885 180.622,91.885 122.526,92.266 148.526,92.266 174.526,92.266 127.734,92.773 128.623,92.773 153.733,92.773 154.623,92.773 179.733,92.773 180.622,92.773 116.26,98.089 117.701,98.108 118.463,98.108 142.26,98.089 143.701,98.108 144.463,98.108 168.26,98.089 169.7,98.108 170.462,98.108 115.631,98.718 141.631,98.718 167.631,98.718 117.701,98.997 118.463,98.997 143.701,98.997 144.463,98.997 169.7,98.997 170.462,98.997 115.003,99.347 141.003,99.347 167.003,99.347 117.701,99.885 118.463,99.885 143.701,99.885 144.463,99.885 169.7,99.885 170.462,99.885 121.13,100.647 147.13,100.647 173.129,100.647 121.13,101.537 147.13,101.537 173.129,101.537 121.13,102.425 147.13,102.425 173.129,102.425 132.052,102.552 132.941,102.552 133.83,102.552 134.719,102.552 135.608,102.552 136.37,102.552 137.259,102.552 138.148,102.552 158.052,102.552 158.94,102.552 159.829,102.552 160.719,102.552 161.607,102.552 162.369,102.552 163.259,102.552 164.147,102.552 184.052,102.552 184.94,102.552 185.829,102.552 186.719,102.552 187.607,102.552 188.369,102.552 189.259,102.552 190.147,102.552 131.671,103.06 157.671,103.06 183.67,103.06 131.671,103.695 157.671,103.695 183.67,103.695 131.671,105.219 157.671,105.219 183.67,105.219 131.671,105.855 157.671,105.855 183.67,105.855 130.492,110.589 156.492,110.589 182.492,110.589 130.492,111.478 156.492,111.478 182.492,111.478 130.492,112.367 156.492,112.367 182.492,112.367 124.269,113.256 150.269,113.256 176.269,113.256 116.522,115.542 142.522,115.542 168.522,115.542 116.522,116.431 142.522,116.431 168.522,116.431 116.522,117.32 142.522,117.32 168.522,117.32 122.618,118.209 148.618,118.209 174.618,118.209 127.825,118.717 128.714,118.717 153.825,118.717 154.714,118.717 179.825,118.717 180.714,118.717 122.618,119.098 148.618,119.098 174.618,119.098 127.825,119.606 128.714,119.606 153.825,119.606 154.714,119.606 179.825,119.606 180.714,119.606 122.618,119.987 148.618,119.987 174.618,119.987 127.825,120.495 128.714,120.495 153.825,120.495 154.714,120.495 179.825,120.495 180.714,120.495 116.351,125.811 142.351,125.811 168.351,125.811 117.792,125.829 118.554,125.829 143.792,125.829 144.554,125.829 169.792,125.829 170.554,125.829 115.723,126.44 141.723,126.44 167.723,126.44 117.792,126.718 118.554,126.718 143.792,126.718 144.554,126.718 169.792,126.718 170.554,126.718 115.094,127.068 141.094,127.068 167.094,127.068 117.792,127.607 118.554,127.607 143.792,127.607 144.554,127.607 169.792,127.607 170.554,127.607 121.221,128.369 147.221,128.369 173.221,128.369 121.221,129.258 147.221,129.258 173.221,129.258 121.221,130.147 147.221,130.147 173.221,130.147 132.143,130.274 133.032,130.274 133.921,130.274 134.81,130.274 135.699,130.274 136.461,130.274 137.35,130.274 138.239,130.274 158.143,130.274 159.032,130.274 159.921,130.274 160.81,130.274 161.699,130.274 162.461,130.274 163.35,130.274 164.239,130.274 184.143,130.274 185.032,130.274 185.921,130.274 186.81,130.274 187.699,130.274 188.461,130.274 189.35,130.274 190.239,130.274 131.762,130.782 157.762,130.782 183.762,130.782 131.762,131.417 157.762,131.417 183.762,131.417 131.762,132.941 157.762,132.941 183.762,132.941 131.762,133.576 157.762,133.576 183.762,133.576
  other v2: 115.61,81.312 136.11,81.312 141.61,81.312 162.11,81.312 167.609,81.312 188.109,81.312 115.61,104.312 141.61,104.312 167.609,104.312 115.701,109.033 136.201,109.033 141.701,109.033 162.201,109.033 167.701,109.033 188.201,109.033 115.701,132.033 141.701,132.033 167.701,132.033

## Polygon pours and split planes (outlines as drawn)
no net on Bottom Layer "NONET_L02_P064" (solid, remove dead copper, pour order 64): 165.509,106.362 191.036,106.362 191.036,79.311 165.509,79.311
no net on Bottom Layer "NONET_L02_P062" (solid, remove dead copper, pour order 62): 139.51,106.362 165.036,106.362 165.036,79.311 139.51,79.311
no net on Bottom Layer "NONET_L02_P060" (solid, remove dead copper, pour order 60): 113.51,106.362 139.037,106.362 139.037,79.311 113.51,79.311
no net on Bottom Layer "NONET_L02_P058" (solid, remove dead copper, pour order 58): 165.601,134.084 191.128,134.084 191.128,107.033 165.601,107.033
no net on Bottom Layer "NONET_L02_P056" (solid, remove dead copper, pour order 56): 139.601,134.084 165.128,134.084 165.128,107.033 139.601,107.033
no net on Bottom Layer "NONET_L02_P054" (solid, remove dead copper, pour order 54): 113.601,134.084 139.128,134.084 139.128,107.033 113.601,107.033
no net on Top Layer "NONET_L01_P065" (solid, remove dead copper, pour order 65): 165.509,106.362 191.036,106.362 191.036,79.311 165.509,79.311
no net on Top Layer "NONET_L01_P063" (solid, remove dead copper, pour order 63): 139.51,106.362 165.036,106.362 165.036,79.311 139.51,79.311
no net on Top Layer "NONET_L01_P061" (solid, remove dead copper, pour order 61): 113.51,106.362 139.037,106.362 139.037,79.311 113.51,79.311
no net on Top Layer "NONET_L01_P059" (solid, remove dead copper, pour order 59): 165.601,134.084 191.128,134.084 191.128,107.033 165.601,107.033
no net on Top Layer "NONET_L01_P057" (solid, remove dead copper, pour order 57): 139.601,134.084 165.128,134.084 165.128,107.033 139.601,107.033
no net on Top Layer "NONET_L01_P055" (solid, remove dead copper, pour order 55): 113.601,134.084 139.128,134.084 139.128,107.033 113.601,107.033

## Keep-outs
Keep-Out Layer:
  lines w0.254: 113.51,79.311 138.21,79.311 138.21,94.233 139.009,95.032 139.009,106.363 131.417,106.363 131.036,105.981 120.749,105.981 120.368,106.362 113.509,106.362 113.509,93.409 114.018,92.9 114.018,84.772 113.51,84.264 113.51,79.311 ; 113.601,107.033 138.301,107.033 138.301,121.954 139.101,122.754 139.101,134.084 131.508,134.084 131.127,133.703 120.84,133.703 120.459,134.084 113.601,134.084 113.601,121.13 114.109,120.622 114.109,112.494 113.601,111.986 113.601,107.033 ; 139.51,79.311 164.21,79.311 164.21,94.233 165.009,95.032 165.009,106.363 157.417,106.363 157.035,105.981 146.749,105.981 146.368,106.362 139.509,106.362 139.509,93.409 140.017,92.9 140.017,84.772 139.51,84.264 139.51,79.311 ; 139.601,107.033 164.301,107.033 164.301,121.954 165.101,122.754 165.101,134.084 157.508,134.084 157.127,133.703 146.84,133.703 146.459,134.084 139.601,134.084 139.601,121.13 140.109,120.622 140.109,112.494 139.601,111.986 139.601,107.033 ; 165.509,79.311 190.21,79.311 190.21,94.233 191.009,95.032 191.009,106.363 183.417,106.363 183.035,105.981 172.748,105.981 172.367,106.362 165.509,106.362 165.509,93.409 166.017,92.9 166.017,84.772 165.509,84.264 165.509,79.311 ; 165.601,107.033 190.301,107.033 190.301,121.954 191.101,122.754 191.101,134.084 183.508,134.084 183.127,133.703 172.84,133.703 172.459,134.084 165.601,134.084 165.601,121.13 166.109,120.622 166.109,112.494 165.601,111.986 165.601,107.033

## Other copper
Top Layer:
  pour cut-out: 191.164,102.552 184.052,102.552 183.671,103.06 183.671,106.553 191.164,106.553
  pour cut-out: 165.164,102.552 158.052,102.552 157.671,103.06 157.671,106.553 165.164,106.553
  pour cut-out: 139.164,102.552 132.052,102.552 131.671,103.06 131.671,106.553 139.164,106.553
  pour cut-out: 191.255,130.274 184.143,130.274 183.762,130.782 183.762,134.275 191.255,134.275
  pour cut-out: 165.255,130.274 158.143,130.274 157.762,130.782 157.762,134.275 165.255,134.275
  pour cut-out: 139.255,130.274 132.143,130.274 131.762,130.782 131.762,134.275 139.255,134.275
Bottom Layer:
  pour cut-out: 191.164,102.552 184.052,102.552 183.671,103.06 183.671,106.553 191.164,106.553
  pour cut-out: 165.164,102.552 158.052,102.552 157.671,103.06 157.671,106.553 165.164,106.553
  pour cut-out: 139.164,102.552 132.052,102.552 131.671,103.06 131.671,106.553 139.164,106.553
  pour cut-out: 191.255,130.274 184.143,130.274 183.762,130.782 183.762,134.275 191.255,134.275
  pour cut-out: 165.255,130.274 158.143,130.274 157.762,130.782 157.762,134.275 165.255,134.275
  pour cut-out: 139.255,130.274 132.143,130.274 131.762,130.782 131.762,134.275 139.255,134.275

## Silkscreen, mask and mechanical layers (free items; w line width, h text height)
Top Overlay:
  drawing of 186 lines, arcs and shapes, not listed
  text "0.96" at 118.3,131.585 h1.3
  text "0.96" at 144.3,131.585 h1.3
  text "0.96" at 170.3,131.585 h1.3
  text "RAINSUN" at 132.651,130.696 h1.3
  text "RAINSUN" at 158.651,130.696 h1.3
  text "RAINSUN" at 184.651,130.696 h1.3
  text "OLED" at 118.046,130.442 h1.3
  text "OLED" at 144.046,130.442 h1.3
  text "OLED" at 170.046,130.442 h1.3
  text "RGB_Light" at 114.871,122.662 h1.3
  text "RGB_Light" at 140.871,122.662 h1.3
  text "RGB_Light" at 166.871,122.662 h1.3
  text "AirTHD" at 132.32,119.733 h1.6 r270
  text "AirTHD" at 158.32,119.733 h1.6 r270
  text "AirTHD" at 184.32,119.733 h1.6 r270
  text "AirQuality" at 135.056,111.351 h1.3 r90
  text "AirQuality" at 161.056,111.351 h1.3 r90
  text "AirQuality" at 187.056,111.351 h1.3 r90
  text "Design" at 117.919,109.902 h1
  text "Design" at 143.919,109.902 h1
  text "Design" at 169.919,109.902 h1
  text "by" at 117.919,109.14 h1
  text "by" at 143.919,109.14 h1
  text "by" at 169.919,109.14 h1
  text "XFuture" at 117.919,107.843 h1.52
  text "XFuture" at 143.919,107.843 h1.52
  text "XFuture" at 169.919,107.843 h1.52
  text "0.96" at 118.209,103.863 h1.3
  text "0.96" at 144.208,103.863 h1.3
  text "0.96" at 170.208,103.863 h1.3
  text "RAINSUN" at 132.56,102.974 h1.3
  text "RAINSUN" at 158.559,102.974 h1.3
  text "RAINSUN" at 184.559,102.974 h1.3
  text "OLED" at 117.955,102.72 h1.3
  text "OLED" at 143.954,102.72 h1.3
  text "OLED" at 169.954,102.72 h1.3
  text "RGB_Light" at 114.78,94.94 h1.3
  text "RGB_Light" at 140.779,94.94 h1.3
  text "RGB_Light" at 166.779,94.94 h1.3
  text "AirTHD" at 132.229,92.011 h1.6 r270
  text "AirTHD" at 158.229,92.011 h1.6 r270
  text "AirTHD" at 184.229,92.011 h1.6 r270
  text "AirQuality" at 134.965,83.629 h1.3 r90
  text "AirQuality" at 160.965,83.629 h1.3 r90
  text "AirQuality" at 186.965,83.629 h1.3 r90
  text "Design" at 117.828,82.18 h1
  text "Design" at 143.827,82.18 h1
  text "Design" at 169.827,82.18 h1
  text "by" at 117.828,81.418 h1
  text "by" at 143.827,81.418 h1
  text "by" at 169.827,81.418 h1
  text "XFuture" at 117.828,80.121 h1.52
  text "XFuture" at 143.827,80.121 h1.52
  text "XFuture" at 169.827,80.121 h1.52
Bottom Overlay:
  text "XFuture" at 137.188,133.322 h3 r270
  text "XFuture" at 163.188,133.322 h3 r270
  text "XFuture" at 189.188,133.322 h3 r270
  text "XFuture" at 137.096,105.6 h3 r270
  text "XFuture" at 163.096,105.6 h3 r270
  text "XFuture" at 189.096,105.6 h3 r270